# Altium PCB REV0.PcbDoc (part 1 of 2)
Units mil, origin at the board's own origin, x right, y up, seen from the top; angles counter-clockwise.
Board outline 3779.53 x 2440.94 mil, 4 copper layers (Top Layer, Layer 1, Layer 2, Bottom Layer), stack 23.756 mil thick; 116 components, 75 nets, 438 pads, 194 vias.
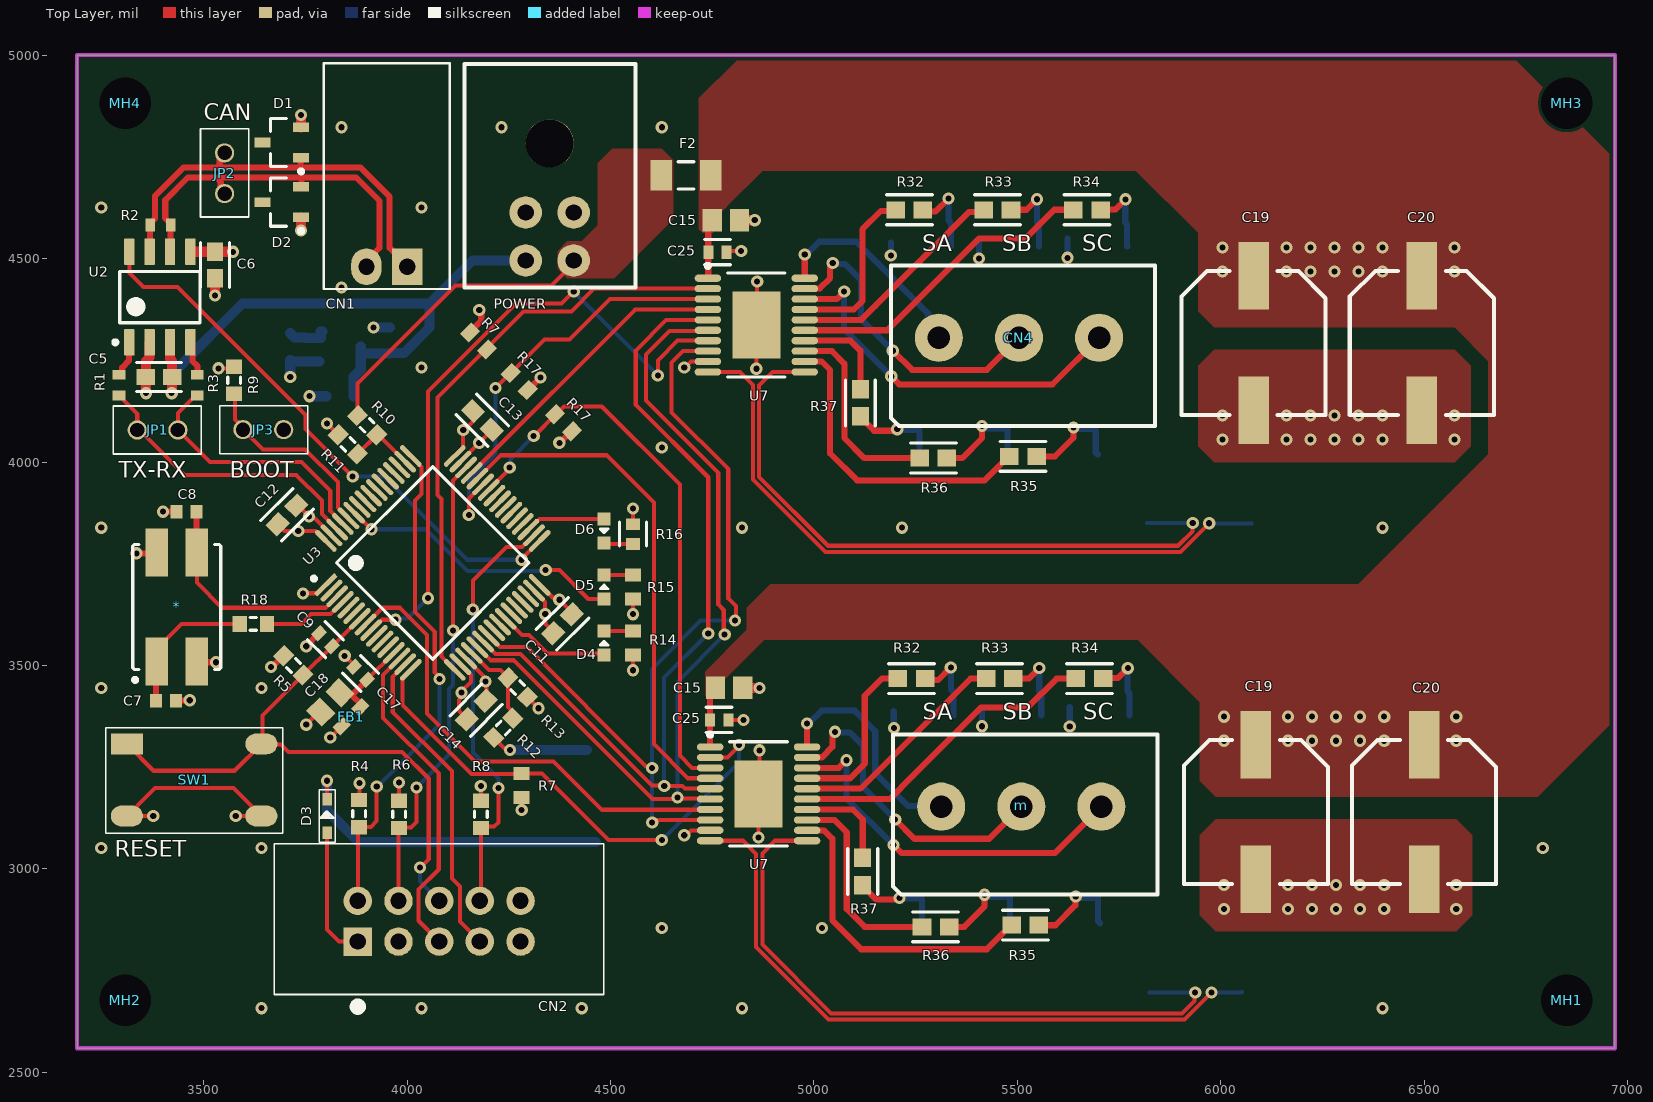
[diagram p0: Top Layer view]
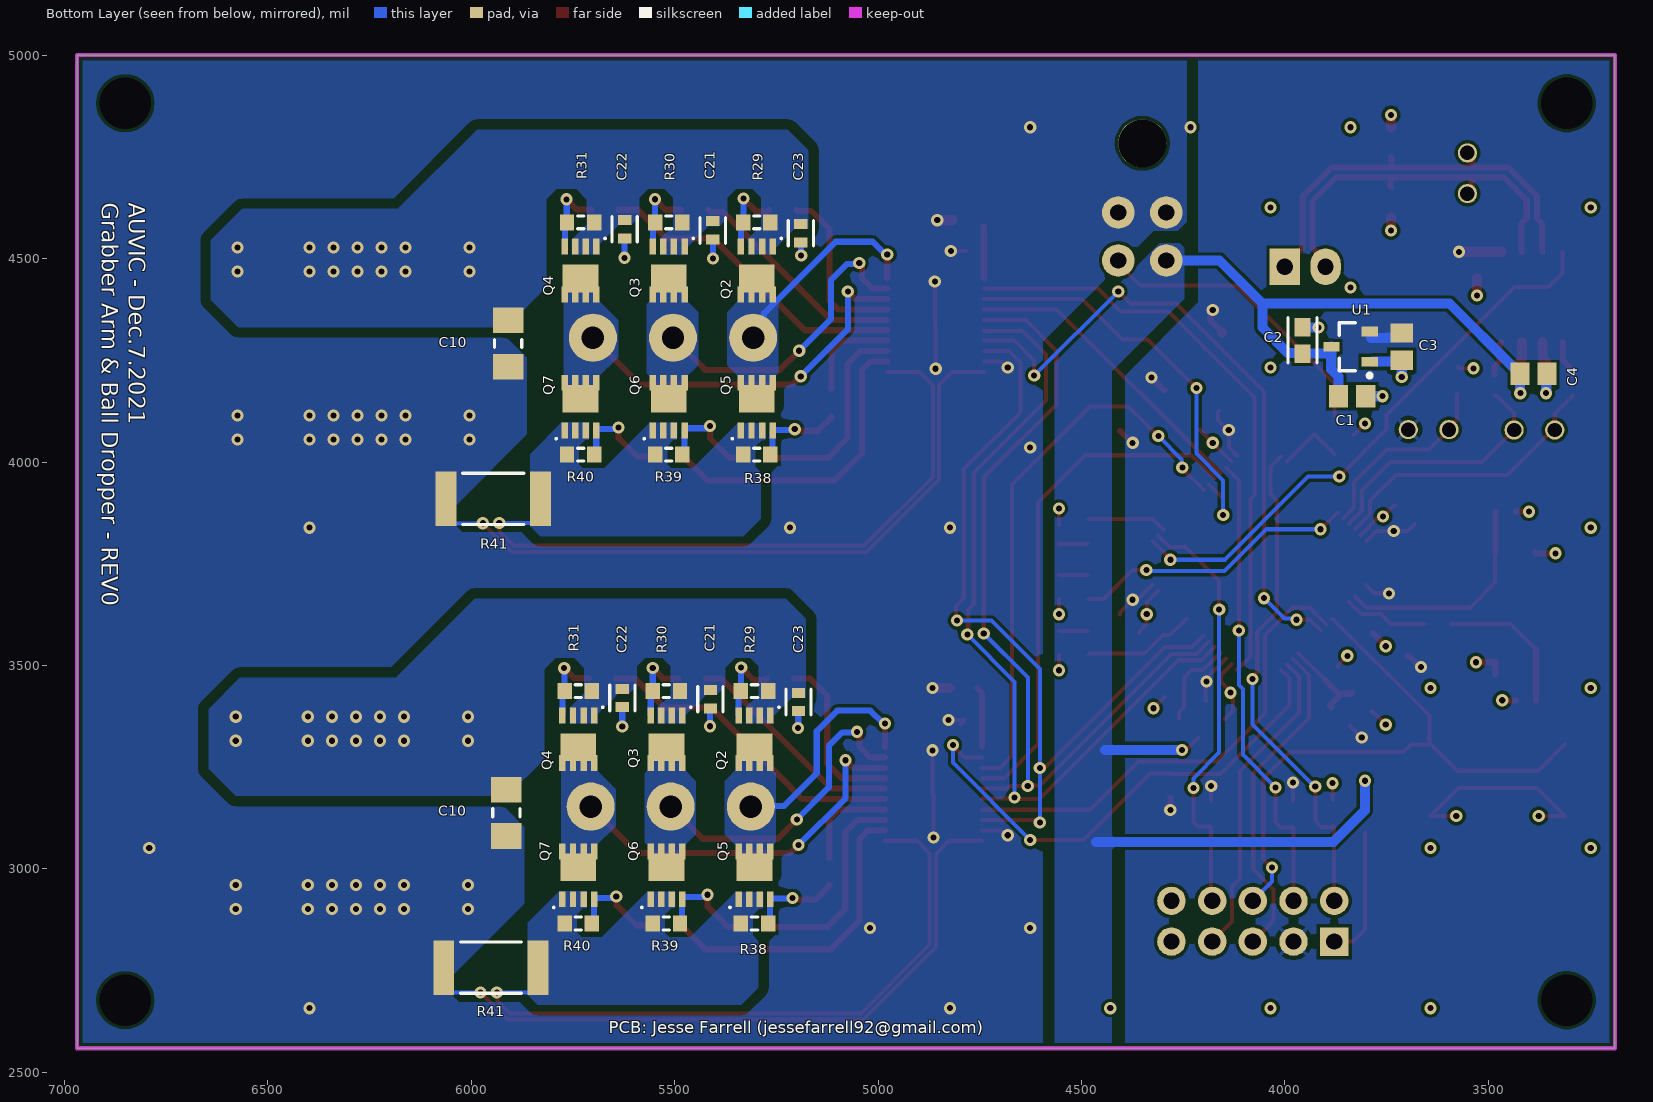
[diagram p1: Bottom Layer view, seen from below]
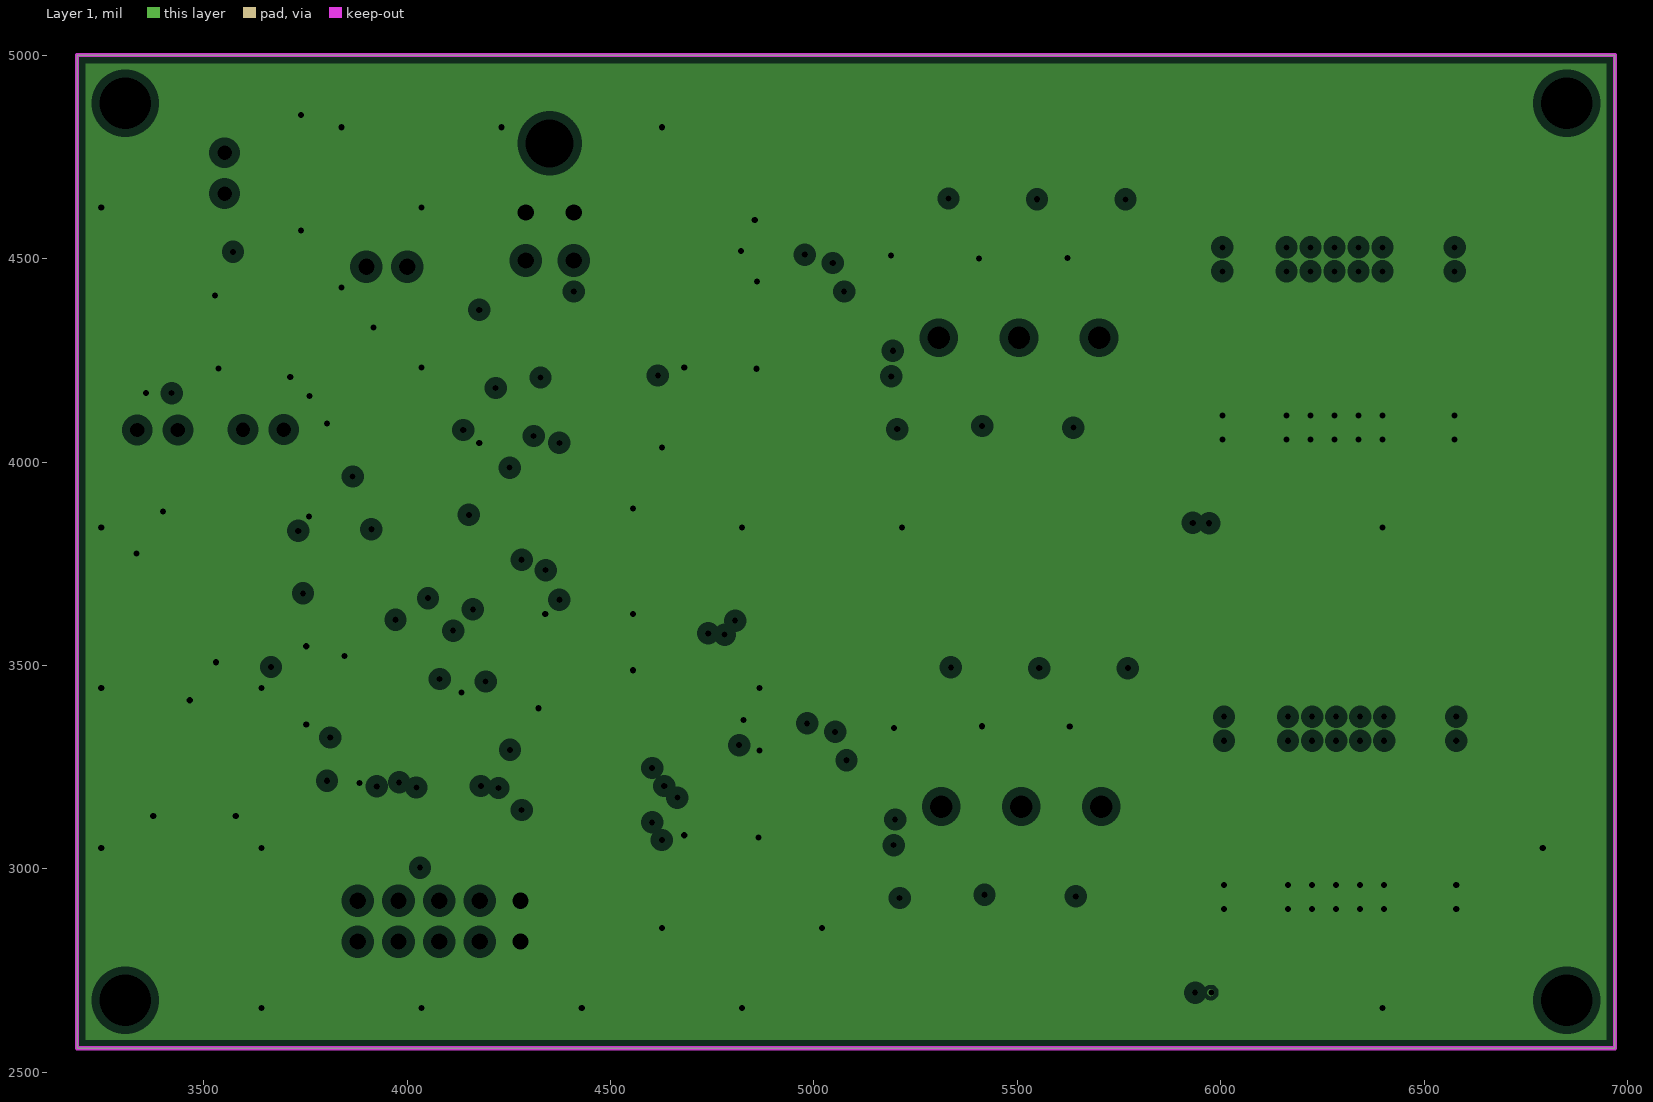
[diagram p2: Layer 1, clearances drawn from the general rule]
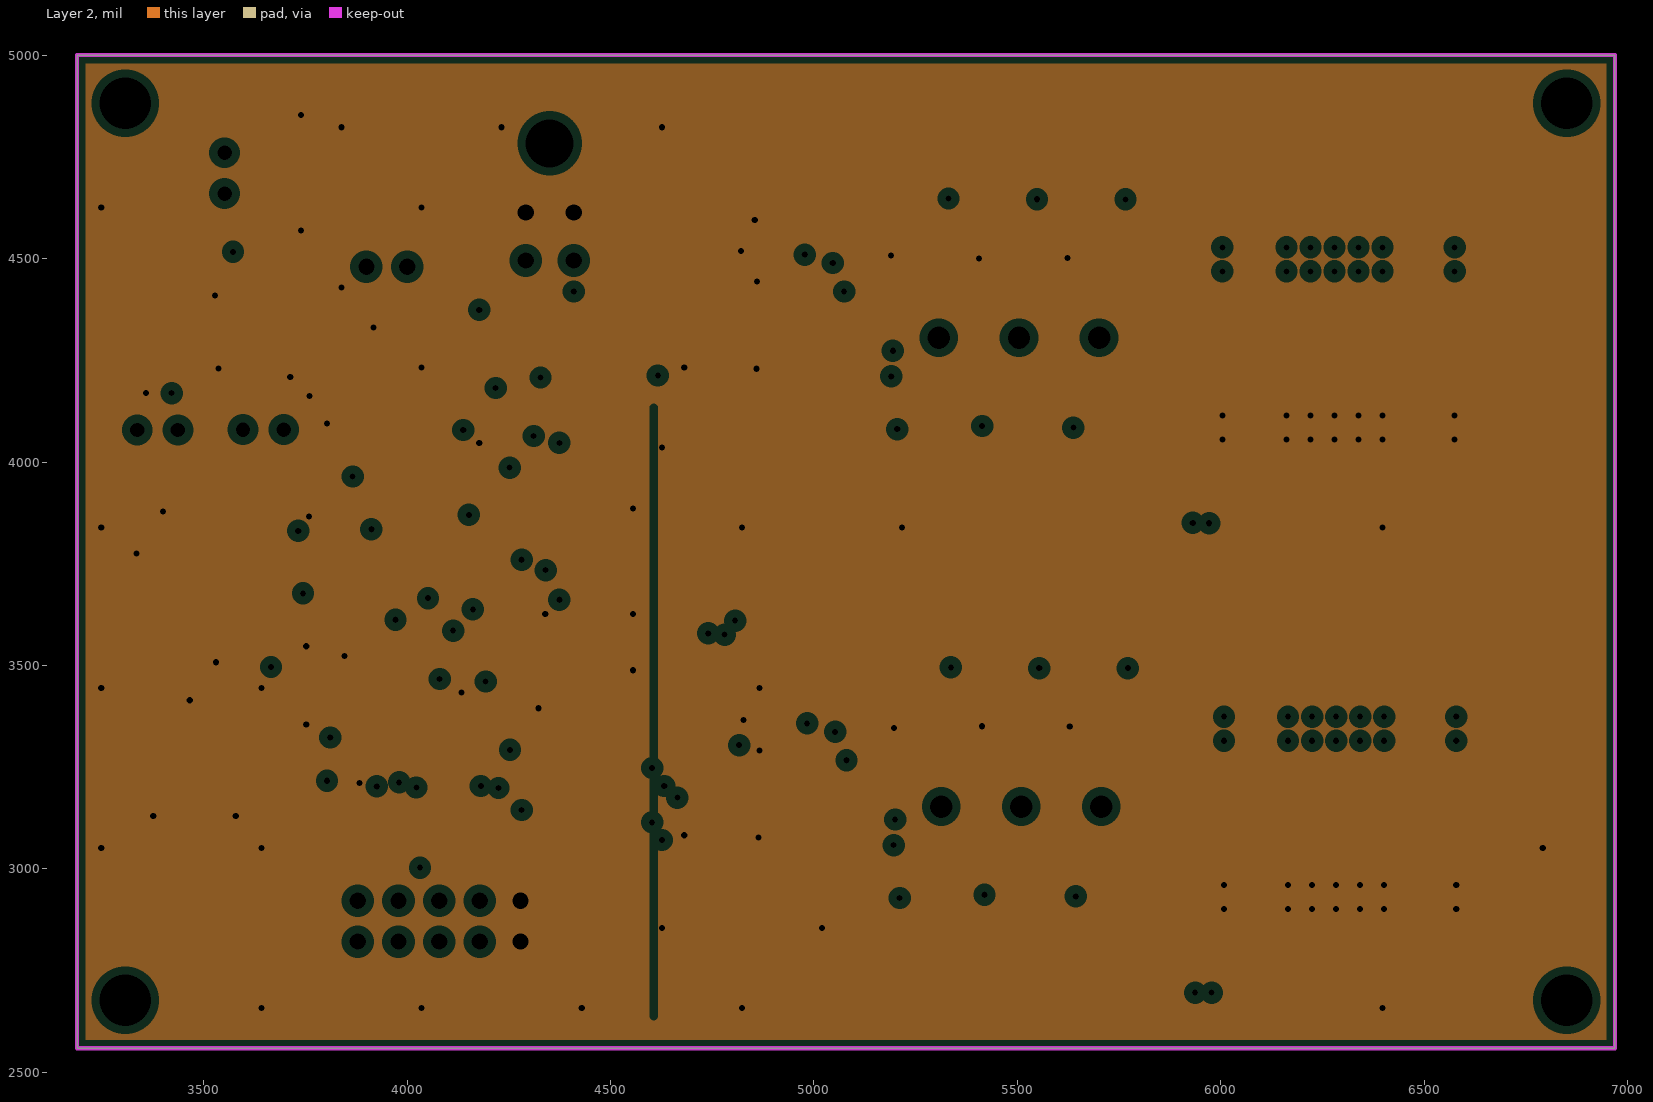
[diagram p3: Layer 2, clearances drawn from the general rule]
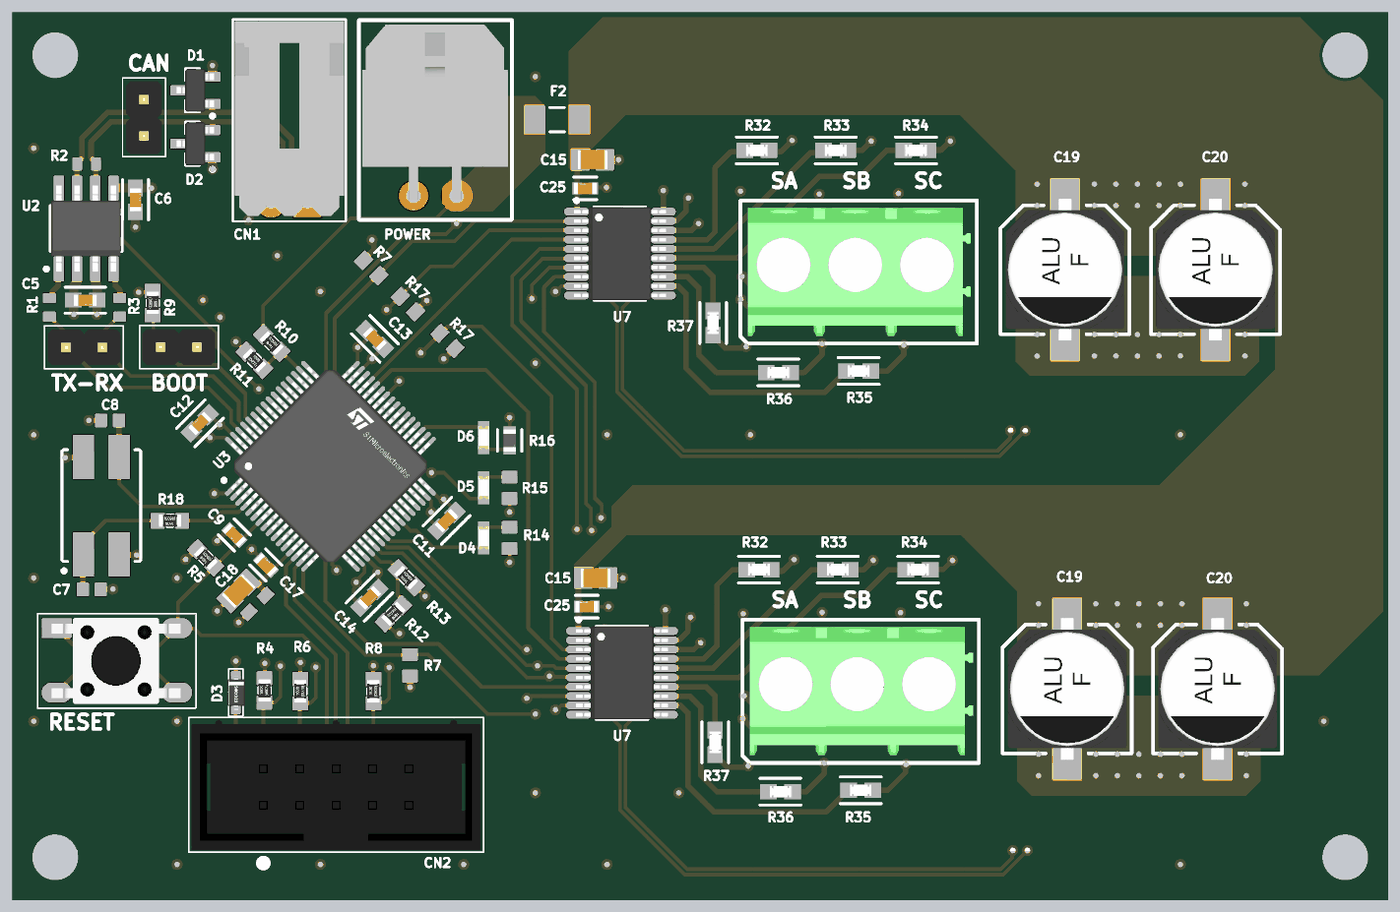
[diagram p5: 3D render of the assembled board from above, using the file's embedded part models]
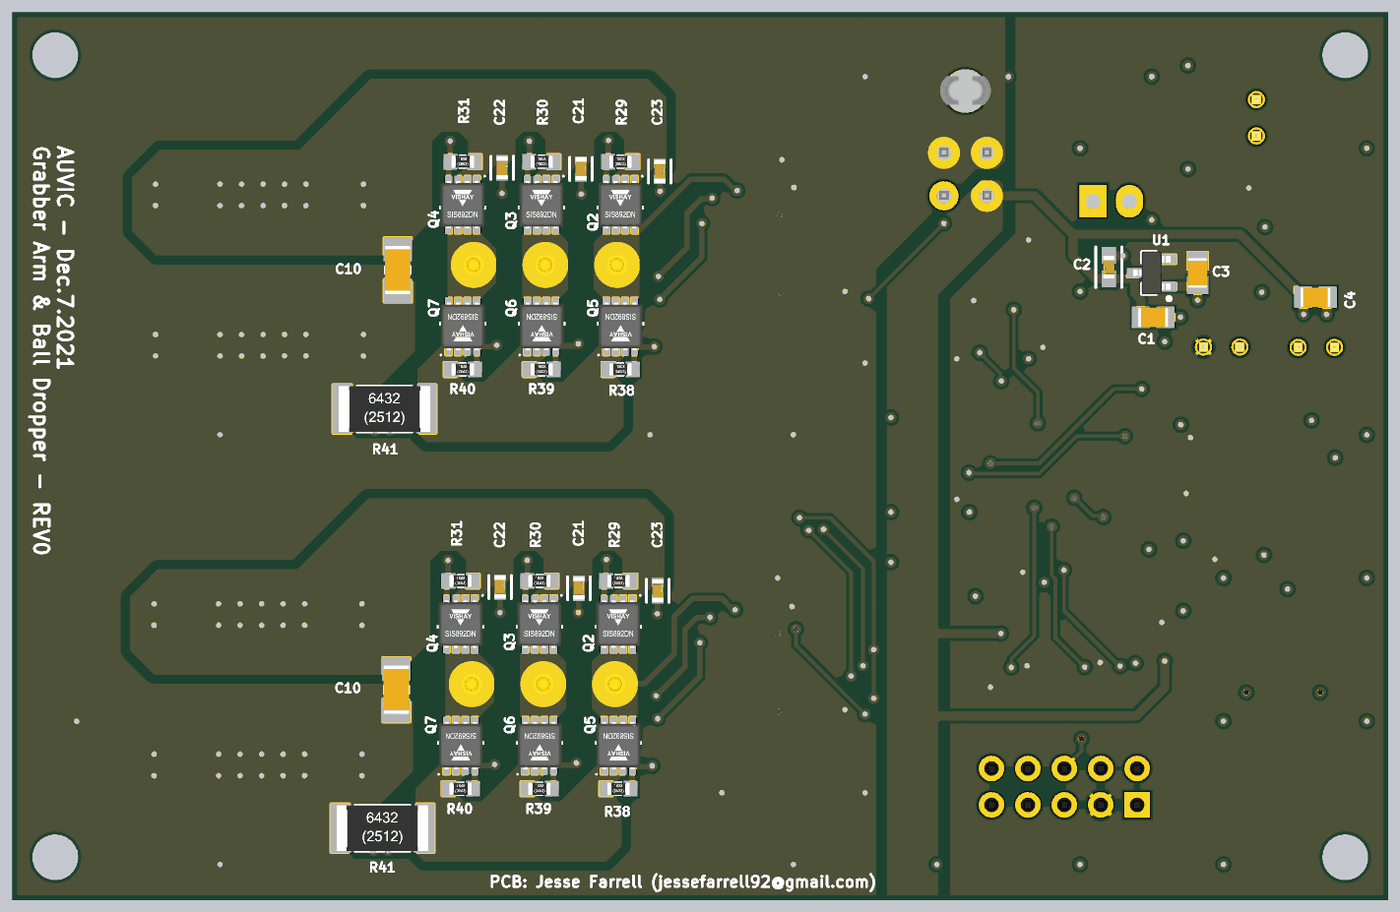
[diagram p6: 3D render of the assembled board from below, using the file's embedded part models]

## Layer stack, top to bottom
Top Solder: solder mask 0.4, Solder Resist, Dk 3.5
Top Layer: signal copper 1.4
Dielectric 2: prepreg 2.8, PP-006, Dk 4.1
Layer 1: plane copper 1.378, net GND
Dielectric 1: dielectric 12.6, FR-4, Dk 4.8
Layer 2: plane copper 1.378, net GND
Dielectric 3: prepreg 2.8, PP-006, Dk 4.1
Bottom Layer: signal copper 1.4
Bottom Solder: solder mask 0.4, Solder Resist, Dk 3.5

## Board outline
3188.98,2559.06 3188.98,5000 6968.5,5000 6968.5,2559.06

## Design rules (kind name [scope] priority, off if disabled: settings)
Clearance [All] p1: gap=7.87 ignorepadtopadclearanceinfootprint=TRUE except(5: Track-Track; 10: Via-Via; 25: Poly-Poly)
DiffPairsRouting [All] p1: maxlimit=10 minlimit=10 mostfreqgap=10 toplayer_minwidth=8 toplayer_maxwidth=15 toplayer_prefwidth=10 bottomlayer_minwidth=8 bottomlayer_maxwidth=15 bottomlayer_prefwidth=10 maxuncoupledlength=500
HoleSize [All] p1: absolutevalues=TRUE maxlimit=248.03 minlimit=7.87 maxpercent=80.000 minpercent=20.000
HoleToHoleClearance [All] p1: gap=19.68 allowstackedmicrovias=TRUE
MinimumSolderMaskSliver [All] p1: minsoldermaskwidth=8
PasteMaskExpansion [All] p1: expansion=1.97
PlaneClearance [All] p1: clearance=20
PlaneConnect PlaneConnect_1 [All] p1: planeconnectstyle=Direct reliefexpansion=20 reliefentries=4 reliefconductorwidth=10 reliefairgap=10
PolygonConnect [All] p1: connectstyle=Relief reliefconductorwidth=10 reliefentries=4 polygonreliefangle="45 Angle" airgapwidth=10
RoutingVias [All] p1: holewidth=15 width=30 viastyle="Through Hole" minholewidth=10 minwidth=20 maxholewidth=28 maxwidth=50
SilkToSolderMaskClearance [IsPad] p1: minsilkscreentomaskgap=5.91 clearancetoexposedcopper=TRUE
SolderMaskExpansion [All] p1: expansion=4 istentingtop=FALSE useseparateexpansions=TRUE expansionbottom=4 istentingbottom=FALSE
Width [All] p1: maxlimit=50 minlimit=10 preferedwidth=15 minimp=50.000000 maximp=50.000000 favimp=50.000000
22 further rules are at their usual default settings.

## Classes and differential pairs
channel class ESC: ESC1 ESC2
net class SPD[1..2]: SPD1 SPD2
net class PWM[1..2]: PWM1 PWM2
net class ESC_SS[1..2]: ESC_SS1 ESC_SS2
net class ESC_SDK[1..2]: ESC_SDK1
net class ESC_SDI[1..2]: ESC_SDI1
net class ESC_SD0[1..2]: ESC_SD01
net class ESC_FAULTn[1..2]: ESC_FAULTn1 ESC_FAULTn2
component class Power: C1 C2 C3 F2 POWER U1
component class Micro: * C7 C8 C9 C11 C13 C14 C17 C18 CN2 D3 D4 D5 D6 FB1 JP3 R4 R5 R6 R8 R9 R10 R11 R12 R13 R14 R15 R16 SW1 U3
component class ESC2: C10 C21 C22 C23 C25 Q2 Q3 Q4 Q5 Q6 Q7 R29 R30 R31 R32 R35 R36 R37 R38 R39 R40 R41
component class ESC1: C10 C21 C22 C23 Q2 Q3 Q4 Q5 Q6 Q7 R29 R30 R31 R38 R39 R40 R41
component class CAN: C4 C5 C6 CN1 D1 D2 JP1 JP2 R1 R2 R3 U2
differential pair CAN: +CAN_P -CAN_N

## Components (designator, comment, footprint, x,y, rotation, side; value= is the part's Value field where it differs from the comment)
* "CRYSTAL 8.0MHZ 16PF SMD" QFN250P750X520X140_HS-5M 3433.71,3643.7 r90 top
C1 "CL21B105KBFNNNG" "0803 CAP" 3834.65,4161.42 r0 bottom
C2 "CL10B104JB8NNNC" FP-CL10-0_1-IPC_A 3956.69,4299.21 r270 bottom
C3 "CL21B105KBFNNNG" "0803 CAP" 3712.6,4283.46 r90 bottom
C4 "CL21B105KBFNNNG" "0803 CAP" 3388.78,4216.54 r0 bottom
C5 "CL10B104JB8NNNC" FP-CL10-0_1-IPC_A 3389.76,4208.66 r0 top
C6 "CL10B104JB8NNNC" FP-CL10-0_1-IPC_A 3527.56,4484.25 r90 top
C7 "16pF Ceramic 50V 5% 0603" CAPC1608X90X35LL10T15 3407.48,3413.39 r180 top
C8 "16pF Ceramic 50V 5% 0603" CAPC1608X90X35LL10T15 3457.68,3877.95 r0 top
C9 "CL10B104JB8NNNC" FP-CL10-0_1-MFG 3799.21,3562.99 r315 top
C10 "CL31B106KBHNNNE" CAPC3216X180X50ML20T30 5913.39,3137.8 r90 bottom
C10 "CL31B106KBHNNNE" CAPC3216X180X50ML20T30 5909.45,4291.34 r90 bottom
C11 "CL10B104JB8NNNC" FP-CL10-0_1-IPC_A 4381.89,3602.36 r45 top
C12 "CL10B104JB8NNNC" FP-CL10-0_1-IPC_A 3704.72,3870.08 r225 top
C13 "CL10B104JB8NNNC" FP-CL10-0_1-IPC_A 4185.04,4102.36 r135 top
C14 "CL10B104JB8NNNC" FP-CL10-0_1-IPC_A 4169.89,3390.36 r45 top
C15 "CL21B105KBFNNNG" "0803 CAP" 4791.34,3444.88 r180 top
C15 "CL21B105KBFNNNG" "0803 CAP" 4783.46,4594.49 r180 top
C17 "CL10B104JB8NNNC" FP-CL10-0_1-MFG 3885.57,3480.57 r135 top
C18 "CL21B105KBFNNNG" "0803 CAP" 3811.02,3409.45 r45 top
C19 "220uF, 50V, 20%, Alum, Polarized, SMD" Radial_CAN_8.3mm_10.5mm 6080.71,4292.32 r90 top value=220µF
C19 "220uF, 50V, 20%, Alum, Polarized, SMD" Radial_CAN_8.3mm_10.5mm 6086.42,3139.97 r90 top value=220µF
C20 "220uF, 50V, 20%, Alum, Polarized, SMD" Radial_CAN_8.3mm_10.5mm 6494.09,4292.32 r90 top value=220µF
C20 "220uF, 50V, 20%, Alum, Polarized, SMD" Radial_CAN_8.3mm_10.5mm 6499.8,3139.97 r90 top value=220µF
C21 "CL10B104JB8NNNC" FP-CL10-0_1-MFG 5406.3,4569.29 r90 bottom
C21 "CL10B104JB8NNNC" FP-CL10-0_1-MFG 5412.01,3416.94 r90 bottom
C22 "CL10B104JB8NNNC" FP-CL10-0_1-MFG 5622.83,4572.24 r90 bottom
C22 "CL10B104JB8NNNC" FP-CL10-0_1-MFG 5628.54,3419.89 r90 bottom
C23 "CL10B104JB8NNNC" FP-CL10-0_1-MFG 5189.76,4562.4 r90 bottom
C23 "CL10B104JB8NNNC" FP-CL10-0_1-MFG 5195.47,3410.05 r90 bottom
C25 "CL10B104JB8NNNC" FP-CL10-0_1-MFG 4762.8,4515.75 r180 top
C25 "CL10B104JB8NNNC" FP-CL10-0_1-MFG 4766.73,3366.14 r180 top
CN1 "1x2 Shrouded Right Angle" "2X1 Female Header" 4000,4480.31 r270 top
CN2 "ST Debug Header 10-pin THT" "10-pin shrouded header THT" 3878.74,2821.26 r0 top
CN4 "3x1, Terminal Block, Pitch: 5mm, Screw, THT" "3x1, Terminal Block, Pitch: 5mm, Screw, THT" 5503.94,4305.44 r0 top
D1 "PESD36VS2UT,215" SOT95P245X110-3N 3691.93,4785.43 r180 top
D2 "PESD36VS2UT,215" SOT95P245X110-3N 3691.93,4638.78 r180 top
D3 "CUS08F30,H3F" SC-76 3803.15,3129.92 r90 top
D4 "LT Q39G-Q1OO-25-1" FP-LB_Q39E-MFG 4484.25,3555.12 r270 top
D5 "LBQ39E-N1OO-35-1" FP-LB_Q39E-MFG 4484.25,3692.91 r270 top
D6 "LSQ976-NR-1" FP-LB_Q39E-MFG 4484.25,3830.71 r90 top
F2 "SMD Fuse, 2A, 63VAC, Slow Blow" RESC1206(3216) 4685.6,4704.72 r0 top
FB1 "BLM18AG601SN1D" MURA-BLM18-F-H1-CHIP-2_V 3862.2,3374.02 r45 top
JP1 "1x2 Male Header" "2X1 Males Header" 3336.61,4078.74 r0 top
JP2 "1x2 Male Header" "2X1 Males Header" 3551.18,4759.84 r270 top
JP3 "1x2 Male Header" "2X1 Males Header" 3696.46,4079.73 r180 top
m "3x1, Terminal Block, Pitch: 5mm, Screw, THT" "3x1, Terminal Block, Pitch: 5mm, Screw, THT" 5509.65,3153.09 r0 top (schematic designator CN4)
MH1 "Mounting Hole, M3, Unplated" Clearance_M3_UNPLATED 6850.39,2677.17 r90 top
MH2 "Mounting Hole, M3, Unplated" Clearance_M3_UNPLATED 3307.09,2677.17 r90 top
MH3 "Mounting Hole, M3, Unplated" Clearance_M3_UNPLATED 6850.39,4881.89 r90 top
MH4 "Mounting Hole, M3, Unplated" Clearance_M3_UNPLATED 3307.09,4881.89 r90 top